# Altium PCB Board.PcbDoc
Units mil, origin at the board's own origin, x right, y up, seen from the top; angles counter-clockwise.
Board outline 1037 x 1968 mil, 4 copper layers (Top Layer, GND, PWR, Bottom Layer), stack 23.756 mil thick; 82 components, 64 nets, 343 pads, 191 vias.
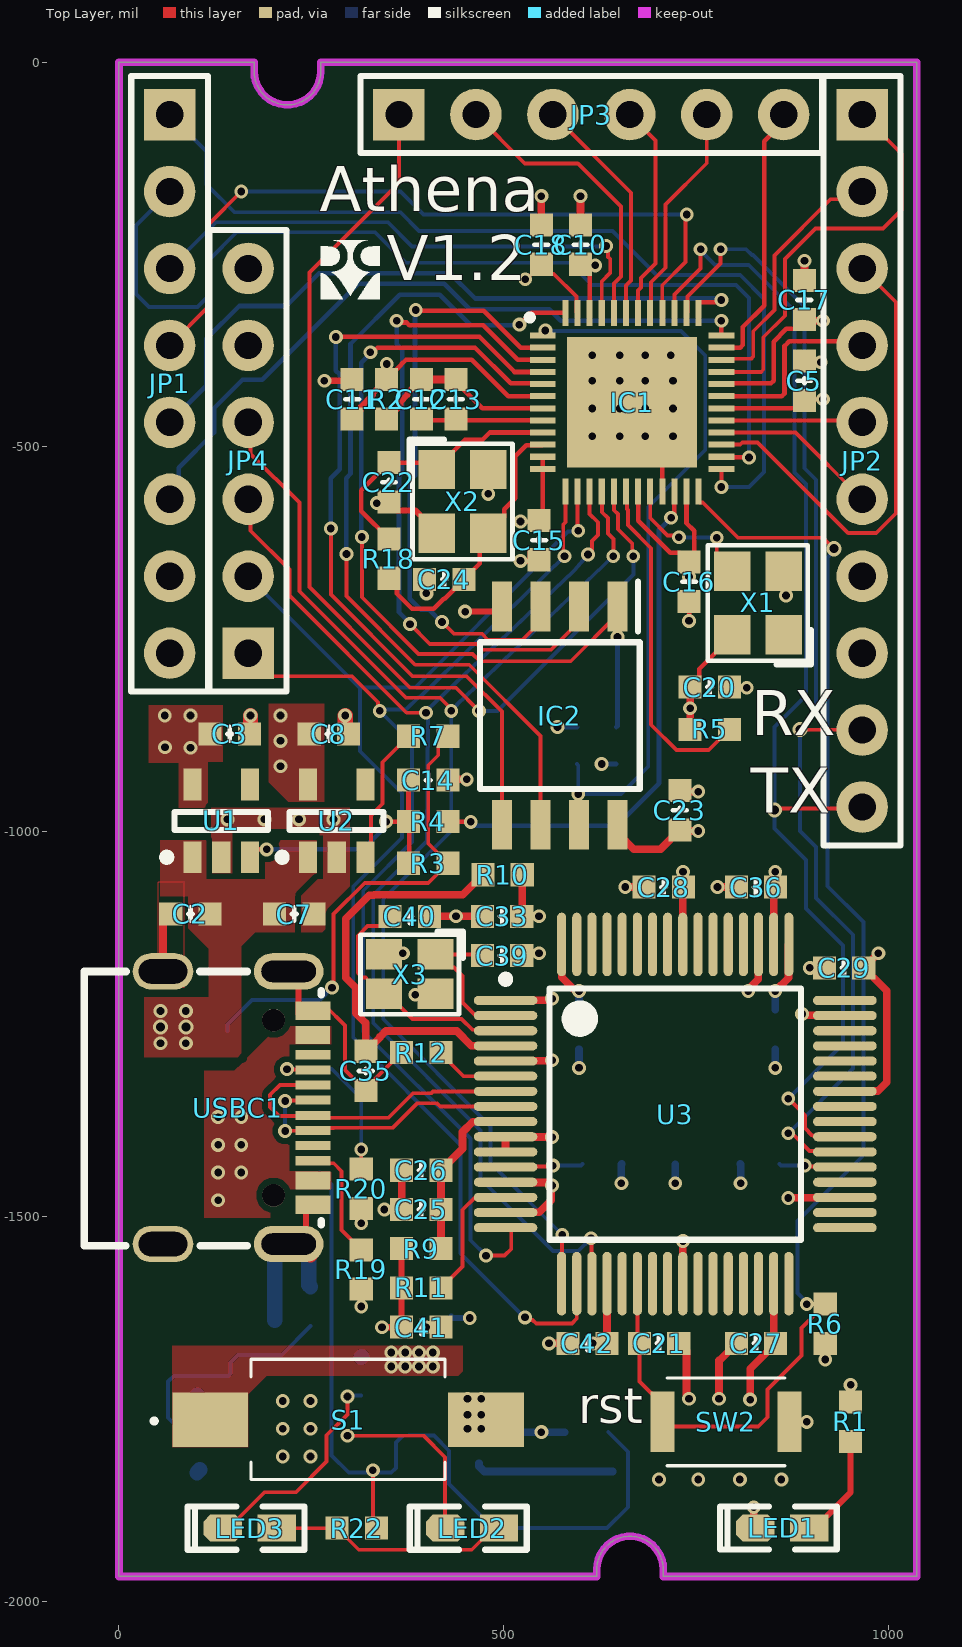
[diagram p0: Top Layer view]
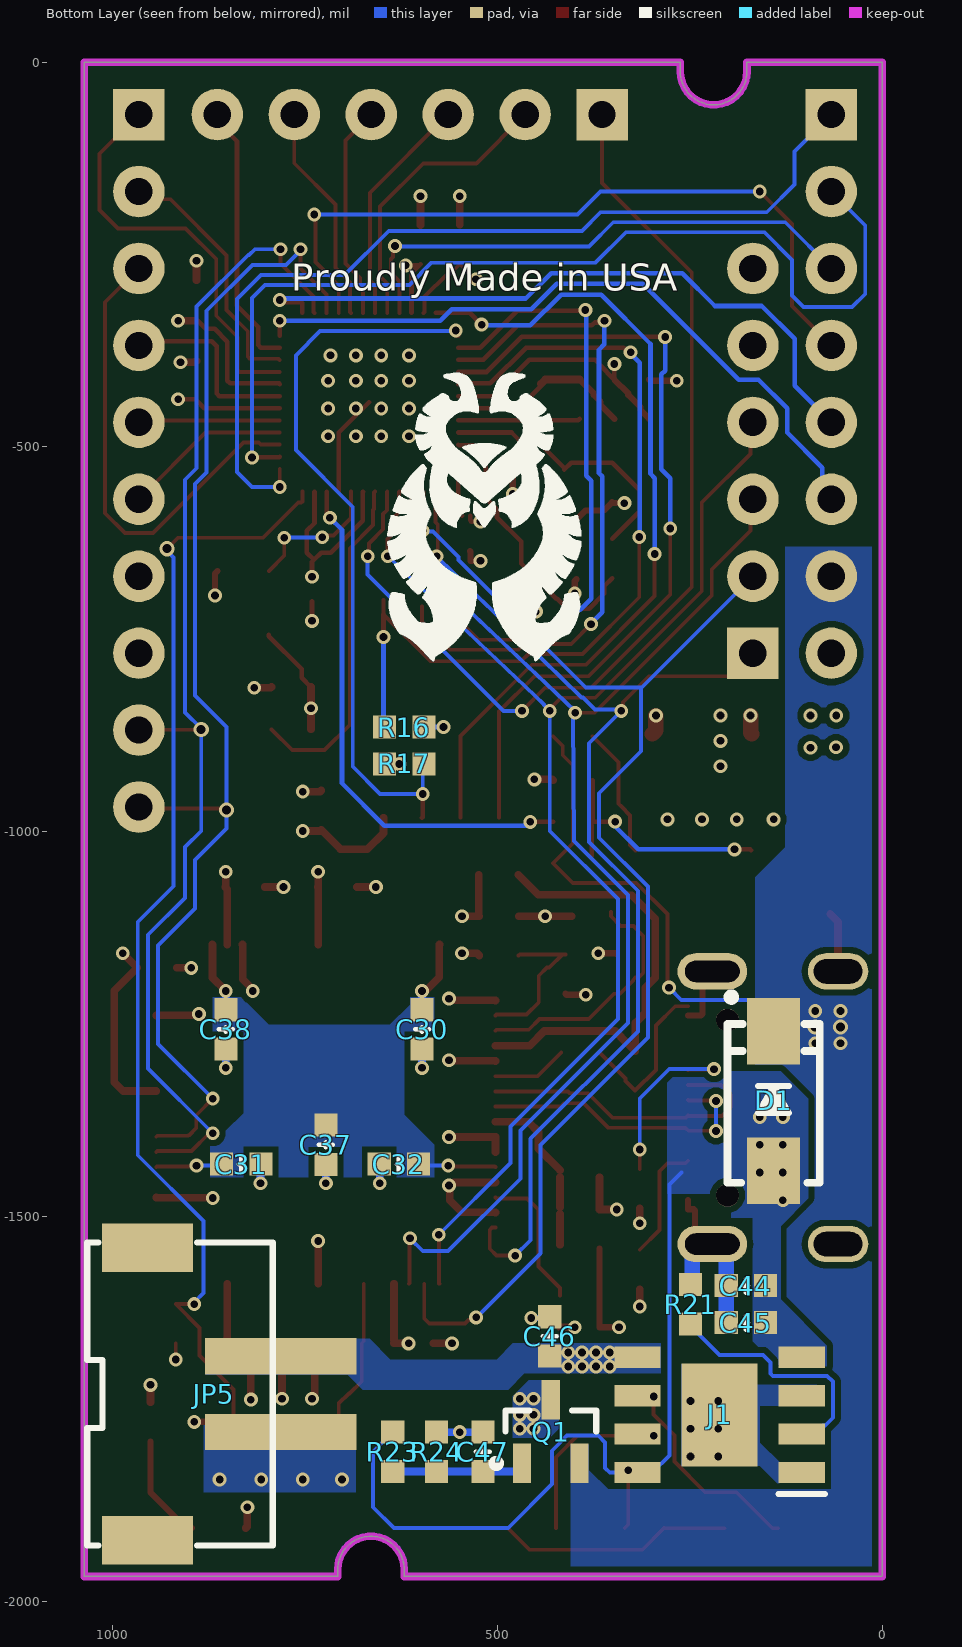
[diagram p1: Bottom Layer view, seen from below]
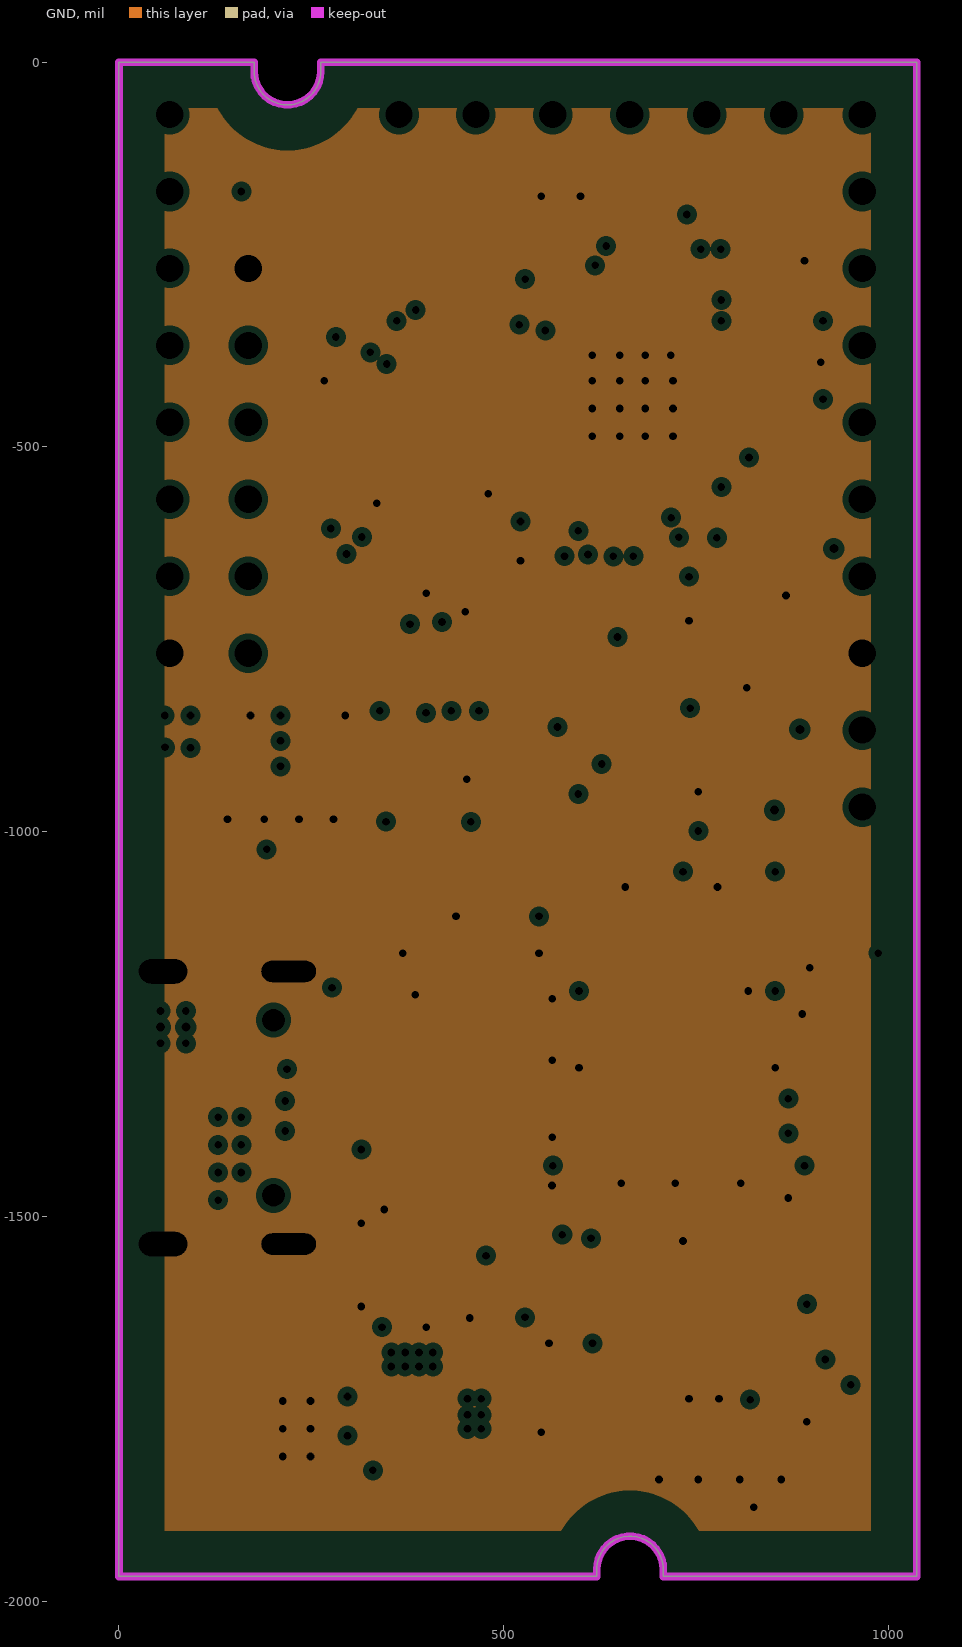
[diagram p2: GND, clearances drawn from the general rule]
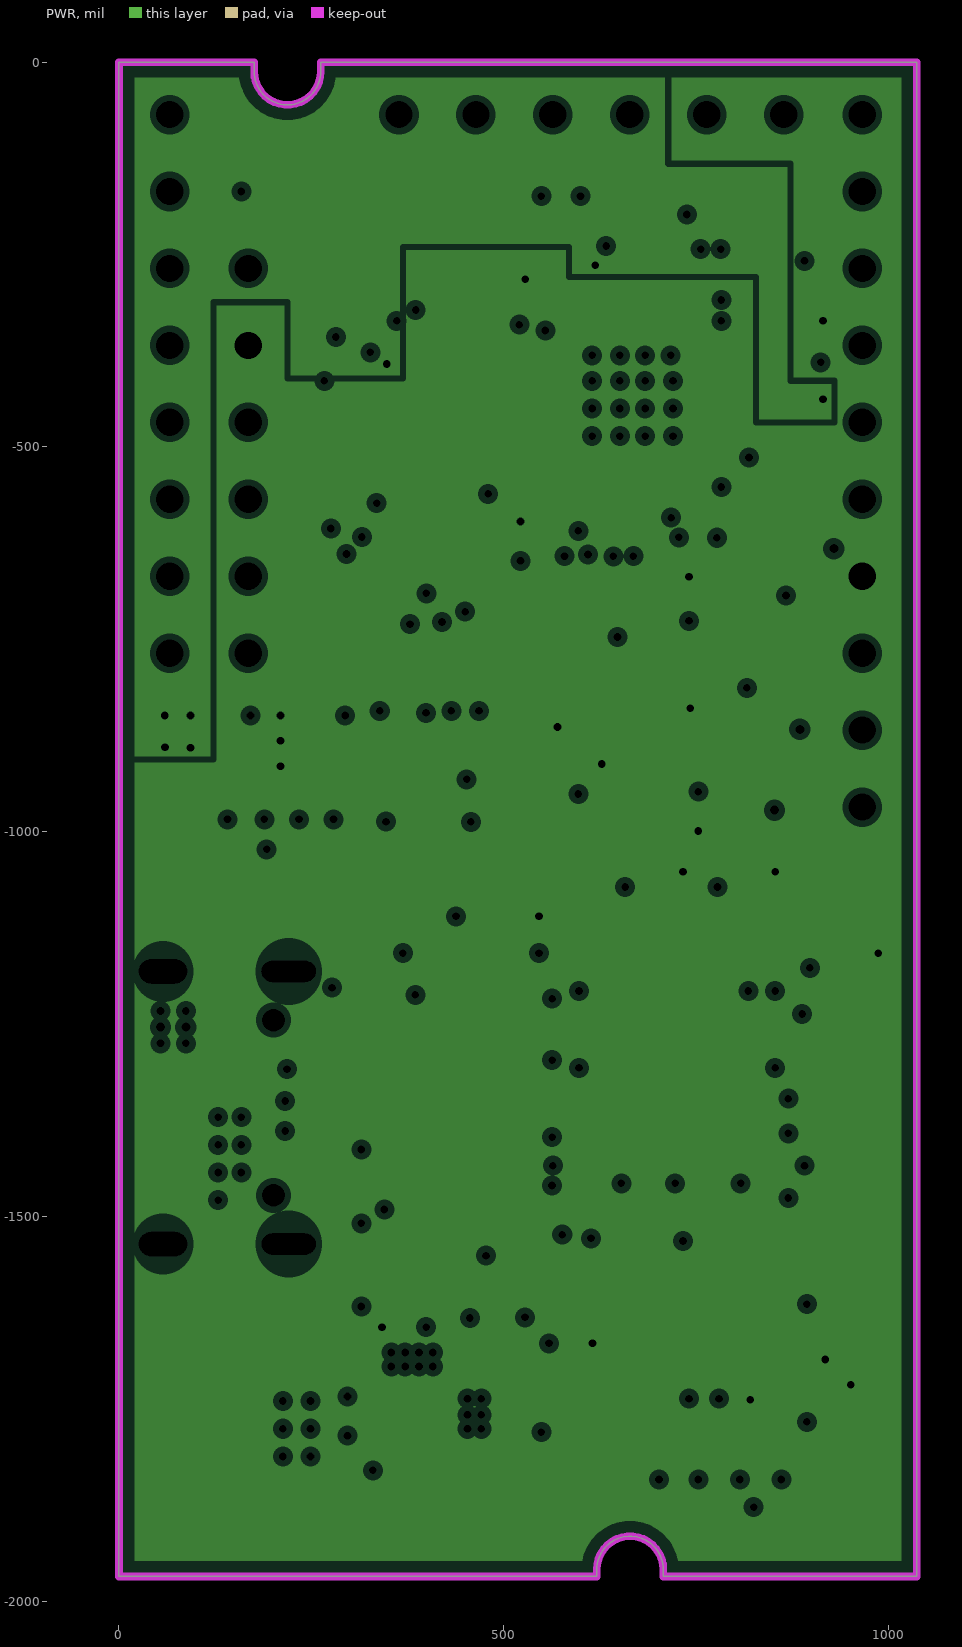
[diagram p3: PWR, clearances drawn from the general rule]

## Layer stack, top to bottom
Top Solder: solder mask 0.4, Solder Resist, Dk 3.5
Top Layer: signal copper 1.4
Dielectric 2: prepreg 2.8, PP-006, Dk 4.1
GND: plane copper 1.378, net GND
Dielectric 1: dielectric 12.6, FR-4, Dk 4.8
PWR: plane copper 1.378, net (Multiple Nets)
Dielectric 3: prepreg 2.8, PP-006, Dk 4.1
Bottom Layer: signal copper 1.4
Bottom Solder: solder mask 0.4, Solder Resist, Dk 3.5

## Board outline
175.69,-12 ccw(c219,-12) 262.31,-12 262.31,0 294,0 1037,0 1037,-1968 707.61,-1968 707.61,-1959 ccw(c664.31,-1959) 621,-1959 621,-1968 579,-1968 0,-1968 0,0 175.69,0

## Design rules (kind name [scope] priority, off if disabled: settings)
Clearance [All] p1: gap=8 ignorepadtopadclearanceinfootprint=TRUE
DiffPairsRouting [All] p1: maxlimit=10 minlimit=8 mostfreqgap=8 toplayer_minwidth=5 toplayer_maxwidth=15 toplayer_prefwidth=5 bottomlayer_minwidth=5 bottomlayer_maxwidth=15 bottomlayer_prefwidth=5 maxuncoupledlength=500
PlaneClearance [All] p1: clearance=8
PlaneConnect [All] p1: planeconnectstyle=Direct reliefexpansion=20 reliefentries=4 reliefconductorwidth=10 reliefairgap=10
PolygonConnect [All] p1: connectstyle=Direct reliefconductorwidth=10 reliefentries=4 polygonreliefangle="90 Angle" airgapwidth=10
RoomDefinition Main [InComponentClass('Main')] p1: confinementstyle=ConfineIn formatcopy=TRUE lockcomponents=FALSE outline 2338,-2362 8303,-2362 8303,-1847 2338,-1847
RoomDefinition Power [InComponentClass('Power')] p2: confinementstyle=ConfineIn formatcopy=TRUE lockcomponents=FALSE outline 2338,-1802 5198,-1802 5198,-1532 2338,-1532
RoomDefinition Debugger [InComponentClass('Debugger')] p3: confinementstyle=ConfineIn formatcopy=TRUE lockcomponents=FALSE outline 2338,-3092 6928,-3092 6928,-2412 2338,-2412
RoutingVias [All] p1: holewidth=10 width=18 viastyle="Through Hole" minholewidth=10 minwidth=18 maxholewidth=10 maxwidth=18
SolderMaskExpansion [IsVia] p1: expansion=4 istentingtop=TRUE
Width [All] p1: maxlimit=20 minlimit=5 preferedwidth=5
27 further rules are at their usual default settings.

## Classes and differential pairs
component class Power: C2 C3 C5 C7 C8 C10 C11 C12 C13 C14 C15 C16 C17 C18 C44 C45 C46 C47 D1 J1 JP5 LED1 LED2 LED3 Q1 R1 R2 R3 R4 R7 R21 R22 R23 R24 S1 U1 U2
component class Main: C20 C21 C22 C23 C24 IC1 IC2 JP1 JP2 JP3 JP4 R5 R6 R16 R17 R18 SW2 X1 X2
component class Debugger: C25 C26 C27 C28 C29 C30 C31 C32 C33 C35 C36 C37 C38 C39 C40 C41 C42 R9 R10 R11 R12 R19 R20 U3 USBC1 X3
differential pair USB_D: +USB_D_P -USB_D_N

## Components (designator, comment, footprint, x,y, rotation, side; value= is the part's Value field where it differs from the comment)
C2 "100nF" C0603_NS 93,-1107 r180 top
C3 "100nF" C0603_NS 144,-873 r0 top
C5 "100nF" C0603_NS 891,-414 r270 top
C7 "100nF" C0603_NS 228,-1107 r0 top
C8 "100nF" C0603_NS 273,-873 r0 top
C10 "100nF" C0603_NS 600,-237 r90 top
C11 "100nF" C0603_NS 303,-438 r270 top
C12 "100nF" C0603_NS 393,-438 r90 top
C13 "10uF" C0603_NS 438,-438 r90 top
C14 "100nF" C0603_NS 402,-933 r180 top
C15 "100nF" C0603_NS 546,-621 r90 top
C16 "100nF" C0603_NS 741,-675 r90 top
C17 "100nF" C0603_NS 891,-309 r270 top
C18 "100nF" C0603_NS 549,-237 r270 top
C20 "100nF" C0603_NS 768,-812 r180 top
C21 "100nF" C0603_NS 702,-1665 r180 top
C22 "22pF" C0603_NS 351,-546 r90 top
C23 "100nF" C0603_NS 729,-972 r90 top
C24 "22pF" C0603_NS 423,-672 r180 top
C25 "10uF" C0603_NS 393,-1491 r0 top
C26 "100nF" C0603_NS 393,-1440 r0 top
C27 "100nF" C0603_NS 828,-1665 r0 top
C28 "100nF" C0603_NS 708,-1072 r0 top
C29 "100nF" C0603_NS 942.41,-1177 r0 top
C30 "100nF" C0603_NS 598,-1257 r90 bottom
C31 "100nF" C0603_NS 833,-1432 r0 bottom
C32 "100nF" C0603_NS 628,-1432 r180 bottom
C33 "100nF" C0603_NS 498,-1110 r0 top
C35 "100nF" C0603_NS 321,-1311 r90 top
C36 "100nF" C0603_NS 828,-1072 r0 top
C37 "10uF" C0603_NS 723,-1407 r90 bottom
C38 "100nF" C0603_NS 853,-1257 r90 bottom
C39 "22pF" C0603_NS 498,-1161 r180 top
C40 "22pF" C0603_NS 378,-1110 r180 top
C41 "100nF" C0603_NS 393,-1644 r180 top
C42 "100nF" C0603_NS 609,-1665 r0 top
C44 "10uF" C0603_NS 177,-1590 r180 bottom
C45 "100nF" C0603_NS 177,-1638 r180 bottom
C46 "10uF" C0603_NS 432,-1656 r270 bottom
C47 "100nF" C0603_NS 519,-1806 r270 bottom
D1 "SS14" SMA 141,-1350 r90 bottom
IC1 "FE310-G002" QFN40P600X600X93-49N 666.86,-441.88 r0 top
IC2 "W25Q32FWSSIG" SOIC127P790X216-8N 573,-849.27 r270 top
J1 "TP4056" SOIC127P600X175-9N 211.23,-1758 r0 bottom
JP1 "HDR-1X8" HDR2.54-M-LI-8P 66,-418 r270 top
JP2 "HDR-1X10" HDR2.54-LI-10P 966,-518 r270 top
JP3 "HDR-1X6" HDR2.54-M-LI-6P 614,-68 r0 top
JP4 "HDR-1X6" HDR2.54-M-LI-6P 168,-518 r90 top
JP5 "HDR-1X2" XH2.54-LS-2P 915,-1731 r90 bottom
LED1 "红色" LED0603_R 862,-1904.74 r180 top
LED2 "红色" LED0603_R 459,-1905 r180 top
LED3 "红色" LED0603_R 170,-1905 r180 top
Q1 "AO3401" SOT23-3N 430.6,-1779.66 r90 bottom
R1 "330R" R0603_NS 951,-1767 r270 top
R2 "100R" R0603_NS 348,-438 r270 top
R3 "NC/100K" R0603_NS 402,-1041 r180 top
R4 "100K" R0603_NS 402,-987 r180 top
R5 "100K" R0603_NS 768,-867 r180 top
R6 "100K" R0603_NS 918,-1639.59 r270 top
R7 "100K" R0603_NS 402,-876 r180 top
R9 "5R" R0603_NS 393,-1542 r180 top
R10 "5R" R0603_NS 498.59,-1056 r0 top
R11 "100K" R0603_NS 393,-1593 r180 top
R12 "12K" R0603_NS 393,-1287 r0 top
R16 "100K" R0603_NS 621,-864 r180 bottom
R17 "100K" R0603_NS 621,-912 r0 bottom
R18 "1M" R0603_NS 351,-645 r90 top
R19 "5.1K" R0603_NS 315,-1569 r90 top
R20 "5.1K" R0603_NS 315,-1464 r90 top
R21 "1.2K" R0603_NS 249,-1614 r270 bottom
R22 "1K" R0603_NS 309,-1905 r0 top
R23 "0" R0603_NS 636,-1806 r90 bottom
R24 "100K" R0603_NS 579,-1806 r270 bottom
S1 "CFS-0101TB" CFS0101TB 297.87,-1764 r90 top
SW2 "SKRKAEE020" SKRKAEE020 789,-1767 r0 top
U1 "RT9080-1.8" SOT-23-5 133,-986 r90 top
U2 "RT9080-3.3" SOT-23-5 283,-986 r90 top
U3 "FT2232HL-Reel" LQFP-64_M 723,-1367 r0 top locked
USBC1 "TYPE-C 2.0 -16P" USB-C-SMD_16P 154.75,-1358.78 r90 top
X1 "32.768K" OSC-3225-4P 830.54,-702.66 r90 top
X2 "16M" XTAL-3225-4P 446.54,-570.66 r270 top
X3 "12M" XTAL-2025-4P 378,-1185 r180 top

## Footprints (in the part's own frame and the unit in brackets; to place one, negate y for a bottom-side part, rotate by r counter-clockwise, add the part's x,y. Pads: shape width x height; smd on the part's side, far side on the other; paste and mask are expansions set on the pad)
C0603_NS [mil] "贴片MLCC电容-无丝印"
  rect 30x30 smd: 1(-25.59,0) 2(25.59,0)
  silkscreen extent -3,-9 3,9, body extent -31,-16 32,16, height 33
CFS0101TB [mm]
  rect 1.8x2.5 smd: 1(0,4.55) 2(0,-4.55)
  silkscreen extent -1.97,-3.2 2,6.45
HDR2.54-LI-10P [mm] "排针，10脚   淘宝ID:黄晶宝石   店铺网址:https://shop463601444.taobao.com"
  rect 1.7x1.7 hole 0.9: 1(-11.43,0)
  round 1.7 hole 0.9: 2(-8.89,0) 3(-6.35,0) 4(-3.81,0) 5(-1.27,0) 6(1.27,0) 7(3.81,0) 8(6.35,0) 9(8.89,0) 10(11.43,0)
  silkscreen extent -12.7,-1.27 12.7,1.27, body extent -12.7,-1.27 12.7,1.27, height 8.5
HDR2.54-M-LI-6P [mm] "排母，6脚"
  rect 1.7x1.7 hole 0.9: 1(-6.35,0)
  round 1.7 hole 0.9: 2(-3.81,0) 3(-1.27,0) 4(1.27,0) 5(3.81,0) 6(6.35,0)
  silkscreen extent -7.62,-1.27 7.62,1.27, body extent -7.62,-1.27 7.62,1.27, height 8.5
HDR2.54-M-LI-8P [mm] "排母，8脚"
  rect 1.7x1.7 hole 0.9: 1(-8.89,0)
  round 1.7 hole 0.9: 2(-6.35,0) 3(-3.81,0) 4(-1.27,0) 5(1.27,0) 6(3.81,0) 7(6.35,0) 8(8.89,0)
  silkscreen extent -10.16,-1.27 10.16,1.27, body extent -10.16,-1.27 10.16,1.27, height 8.5
LED0603_R [mil] "红色0603LED"
  rect 50x35 smd: 1(-35,0.26)
  oct 50x35 smd: 2(35,0.26)
  silkscreen extent -71,-28 81,28, body extent -32,-16 31,16, height 18
LQFP-64_M [mm] "Thin QFP, 64-Leads, Body 10x10mm, Pitch 0.5mm, IPC Low Density"
  oval 2.1x0.3 smd: 1(-5.6,3.75) 2(-5.6,3.25) 3(-5.6,2.75) 4(-5.6,2.25) 5(-5.6,1.75) 6(-5.6,1.25) 7(-5.6,0.75) 8(-5.6,0.25) 9(-5.6,-0.25) 10(-5.6,-0.75) 11(-5.6,-1.25) 12(-5.6,-1.75) 13(-5.6,-2.25) 14(-5.6,-2.75) 15(-5.6,-3.25) 16(-5.6,-3.75) 33(5.6,-3.75) 34(5.6,-3.25) 35(5.6,-2.75) 36(5.6,-2.25) 37(5.6,-1.75) 38(5.6,-1.25) 39(5.6,-0.75) 40(5.6,-0.25) 41(5.6,0.25) 42(5.6,0.75) 43(5.6,1.25) 44(5.6,1.75) 45(5.6,2.25) 46(5.6,2.75) 47(5.6,3.25) 48(5.6,3.75)
  oval 0.3x2.1 smd: 17(-3.75,-5.6) 18(-3.25,-5.6) 19(-2.75,-5.6) 20(-2.25,-5.6) 21(-1.75,-5.6) 22(-1.25,-5.6) 23(-0.75,-5.6) 24(-0.25,-5.6) 25(0.25,-5.6) 26(0.75,-5.6) 27(1.25,-5.6) 28(1.75,-5.6) 29(2.25,-5.6) 30(2.75,-5.6) 31(3.25,-5.6) 32(3.75,-5.6) 49(3.75,5.6) 50(3.25,5.6) 51(2.75,5.6) 52(2.25,5.6) 53(1.75,5.6) 54(1.25,5.6) 55(0.75,5.6) 56(0.25,5.6) 57(-0.25,5.6) 58(-0.75,5.6) 59(-1.25,5.6) 60(-1.75,5.6) 61(-2.25,5.6) 62(-2.75,5.6) 63(-3.25,5.6) 64(-3.75,5.6)
  silkscreen extent -5.72,-4.15 4.15,4.57, body extent -5,-5 5,5, height 1.6
OSC-3225-4P [mm] "3.2*2.5*0.7mm(长宽高)                             淘宝ID:黄晶宝石"
  rect 1.3x1.2 smd: 1(-1.05,-0.85) 2(1.05,-0.85) 3(1.05,0.85) 4(-1.05,0.85)
  silkscreen extent -2.03,-1.75 1.91,1.65, body extent -1.6,-1.25 1.6,1.25, height 0.7
QFN40P600X600X93-49N [mm] "48脚，长x宽x高：7x7x1mm，脚距：0.5mm"
  rect 0.85x0.2 smd: 1(-2.95,2.2) 2(-2.95,1.8) 3(-2.95,1.4) 4(-2.95,1) 5(-2.95,0.6) 6(-2.95,0.2) 7(-2.95,-0.2) 8(-2.95,-0.6) 9(-2.95,-1) 10(-2.95,-1.4) 11(-2.95,-1.8) 12(-2.95,-2.2) 25(2.95,-2.2) 26(2.95,-1.8) 27(2.95,-1.4) 28(2.95,-1) 29(2.95,-0.6) 30(2.95,-0.2) 31(2.95,0.2) 32(2.95,0.6) 33(2.95,1) 34(2.95,1.4) 35(2.95,1.8) 36(2.95,2.2)
  rect 0.2x0.85 smd: 13(-2.2,-2.95) 14(-1.8,-2.95) 15(-1.4,-2.95) 16(-1,-2.95) 17(-0.6,-2.95) 18(-0.2,-2.95) 19(0.2,-2.95) 20(0.6,-2.95) 21(1,-2.95) 22(1.4,-2.95) 23(1.8,-2.95) 24(2.2,-2.95) 37(2.2,2.95) 38(1.8,2.95) 39(1.4,2.95) 40(1,2.95) 41(0.6,2.95) 42(0.2,2.95) 43(-0.2,2.95) 44(-0.6,2.95) 45(-1,2.95) 46(-1.4,2.95) 47(-1.8,2.95) 48(-2.2,2.95)
  rect 4.3x4.3 smd: 49(0,0)
  silkscreen extent -3.47,2.7 -3.27,2.9, body extent -3.05,-3.05 3.05,3.05, height 0.93
R0603_NS [mil] "1/10W贴片电阻-无丝印"
  rect 30x30 smd: 1(-25.59,0) 2(25.59,0)
  body extent -31,-16 32,16, height 16
SKRKAEE020 [mm] "3*6*2.5mm"
  rect 0.8x2 smd: 1(-2.1,0) 2(2.1,0)
  silkscreen extent -1.95,-1.45 1.95,1.45, body extent -2.4,-1.45 2.4,1.45, height 2
SMA [mm] "4.5x2.6*2.2mm（长宽高，不包括引脚）联系卖家 免费查找封装"
  rect 2.2x1.75 smd: 1(-2.3,0) 2(2.3,0)
  silkscreen extent -2.7,-1.52 3.56,1.52, body extent -2.55,-1.3 2.55,1.3, height 2.15
SOIC127P600X175-9N [mm]
  rect 1.525x0.7 smd: 1(-2.712,1.905) 2(-2.712,0.635) 3(-2.712,-0.635) 4(-2.712,-1.905) 5(2.712,-1.905) 6(2.712,-0.635) 7(2.712,0.635) 8(2.712,1.905)
  rect 2.513x3.402 smd: 9(0,0)
  silkscreen extent -3.47,2.61 -1.95,2.61, body extent -3,-2.45 3,2.45, height 1.75
SOIC127P790X216-8N [mm]
  rect 1.65x0.65 smd: 1(-3.6,1.905) 2(-3.6,0.635) 3(-3.6,-0.635) 4(-3.6,-1.905) 5(3.6,-1.905) 6(3.6,-0.635) 7(3.6,0.635) 8(3.6,1.905)
  silkscreen extent -4.43,-2.64 2.42,2.64, body extent -3.95,-2.64 3.95,2.64, height 2.16
SOT23-3N [mm] "SOT23, 3-Leads, Body 2.9x1.3mm, Pitch 0.95mm, Lead Span 2.4mm, IPC Medium Density"
  rect 1.3x0.6 smd: 1(-1.05,0.95) 2(-1.05,-0.95) 3(1.05,0)
  silkscreen extent -1.17,-1.5 0.7,1.93, body extent -1.2,-1.5 1.2,1.5, height 1.05
SOT-23-5 [mm] "SOT23, 5-Leads, Body 2.9x1.6mm, Pitch 0.95mm, IPC Medium Density"
  rect 1.05x0.6 smd: 1(-1.2,0.95) 2(-1.2,0) 3(-1.2,-0.95) 4(1.2,-0.95) 5(1.2,0.95)
  silkscreen extent -1.32,-1.55 0.3,1.92, body extent -1.4,-1.5 1.4,1.5, height 1.15
USB-C-SMD_16P [mm] "封装库来自淘宝ID:黄晶宝石"
  oval 1.2x2.3 hole 0.7 slot 1.8 at 90 deg: 0(-4.5,-1.675) 0(4.5,-1.675)
  oval 1.2x2 hole 0.8 slot 1.6 at 90 deg: 0(-4.5,2.475) 0(4.5,2.475)
  rect 0.3x1.15 smd: A1(3.35,-2.473) A4(2.55,-2.471) A5(1.25,-2.475) A6(0.25,-2.475) A7(-0.25,-2.473) A9(-2.55,-2.475) A12(-3.35,-2.475) B1(-3.05,-2.475) B4(-2.25,-2.475) B5(-1.75,-2.475) B6(-0.75,-2.475) B7(0.75,-2.473) B9(2.25,-2.471) B12(3.05,-2.473)
  rect 0.3x1.148 smd: A8(1.75,-2.475) B8(-1.25,-2.475)
  round 0.75 hole 0.75 unplated: ""(-2.89,-1.175) ""(2.89,-1.175)
  silkscreen extent -4.56,-2.75 4.5,5.08, body extent -4.45,-2.87 4.49,5.03, height 3.25
XH2.54-LS-2P [mm] "长：10mm，宽：6mm，高：8.3mm    淘宝ID:黄晶宝石   店铺网址:https://shop463601444.taobao.com"
  rect 1.6x3 smd: 0(-4.826,1.016) 0(4.826,1.016)
  rect 1.2x5 smd: 1(-1.25,-3.383) 2(1.25,-3.383)
  silkscreen extent -5,-3.13 5,3, body extent -5,-6 5,3
XTAL-2025-4P [mm] "2*2.5*0.55mm(长宽高)"
  rect 1.2x1 smd: 1(-0.85,-0.65) 2(0.85,-0.65) 3(0.85,0.65) 4(-0.85,0.65)
  silkscreen extent -1.75,-1.4 1.63,1.32, body extent -1.25,-1 1.25,1, height 0.55
XTAL-3225-4P [mm] "3.2*2.5*0.7mm(长宽高)                             淘宝ID:黄晶宝石"
  rect 1.3x1.2 smd: 1(-1.05,-0.85) 2(1.05,-0.85) 3(1.05,0.85) 4(-1.05,0.85)
  silkscreen extent -2.03,-1.75 1.91,1.65, body extent -1.6,-1.25 1.6,1.25, height 0.7

## Part data
C2 C3 C5 C7 C8 C10 C11 C12 C13 C14 C15 C16 C17 C18 C20 C21 C22 C23 C24 C25 C26 C27 C28 C29 C30 C31 C32 C33 C35 C36 C37 C38 C39 C40 C41 C42 C44 C45 C46 C47: library part C, "贴片电容/MLCC电容", BOM名称=无极性贴片电容, 联系卖家，免费查找封装=唯一出售店铺网址https://shop463601444.taobao.com
D1: "肖特基二极管", BOM名称=肖特基二极管, 以赠品形式获赠本封装库的买家，还可联系卖家免费指导AD软件使用=封装库来自淘宝卖家ID：黄晶宝石, 属性=40V/1A
IC1: "Integrated Circuit", Manufacturer_Name=SiFive, Datasheet Link=https://sifive.cdn.prismic.io/sifive%2F3d777659-a0dd-49ed-a011-5bebba17aecf_fe310-g002-ds.pdf, Height=0.93mm, Manufacturer_Part_Number=FE310-G002
IC2: "Integrated Circuit", Manufacturer_Name=Winbond, Mouser Part Number=454-W25Q32FWSSIG, Arrow Part Number=W25Q32FWSSIG, Arrow Price/Stock=https://www.arrow.com/en/products/w25q32fwssig/winbond-electronics, Datasheet Link=http://www.winbond.com/resource-files/w25q32fw%20revj%2004242018%20sfdp.pdf, Height=2.16mm, Manufacturer_Part_Number=W25Q32FWSSIG, Mouser Price/Stock=https://www.mouser.com/Search/Refine.aspx?Keyword=454-W25Q32FWSSIG
J1: "Connector", Manufacturer_Name="NanJing Top Power", Datasheet Link=https://dlnmh9ip6v2uc.cloudfront.net/datasheets/Prototyping/TP4056.pdf, Height=1.75mm, Manufacturer_Part_Number=TP4056
JP1: library part "Header 8", "8P接插件", BOM名称=8P接插件, 封装库来自淘宝卖家ID:黄晶宝石=其他店铺购入均为盗版假冒封装库，请立即申请退款，本店现金奖励20~200元, 联系卖家，免费查找封装=唯一出售店铺网址https://shop463601444.taobao.com
JP2: library part "Header 10", "10P接插件", BOM名称=10P接插件, 学习资源=https://shop463601444.taobao.com, 版权归属=淘宝ID:黄晶宝石
JP3 JP4: library part "Header 6", "6P接插件", BOM名称=6P接插件, 封装库来自淘宝卖家ID:黄晶宝石=其他店铺购入均为盗版假冒封装库，请立即申请退款，本店现金奖励20~200元, 联系卖家，免费查找封装=唯一出售店铺网址https://shop463601444.taobao.com
JP5: library part "Header 2", "2P接插件", BOM名称=2P接插件, 封装库来自淘宝卖家ID:黄晶宝石=其他店铺购入均为盗版假冒封装库，请立即申请退款，本店现金奖励20~200元, 联系卖家，免费查找封装=唯一出售店铺网址https://shop463601444.taobao.com
LED1 LED2 LED3: library part LED-SMD, "贴片LED", BOM名称=贴片LED, 封装库来自淘宝卖家ID：黄晶宝石=其他店铺购入均为盗版封装库，请立即申请退款，本店现金奖励20~200元
Q1: "P沟道 30V/4.2A", 8元以下特价购入的买家=还可以联系卖家远程指导AD软件使用, BOM名称=场效应管, 参数="P沟道 30V/4.2A"
R1 R2 R3 R4 R5 R6 R7 R9 R10 R11 R12 R16 R17 R18 R19 R20 R21 R22 R23 R24: library part R, "贴片电阻", BOM名称=贴片电阻, 联系卖家，免费查找封装=唯一出售店铺网址https://shop463601444.taobao.com
S1: "Switch", Manufacturer_Name="NIDEC COPAL", Mouser Part Number=229-CFS-0101TB, Datasheet Link=https://au.mouser.com/datasheet/2/972/cfs-1628139.pdf, Height=4mm, Manufacturer_Part_Number=CFS-0101TB, Mouser Price/Stock=https://www.mouser.co.uk/ProductDetail/Nidec-Copal/CFS-0101TB?qs=XeJtXLiO41RUoaDpyshzOQ%3D%3D
SW2: "2.9x3.9轻触开关", BOM名称=3x6轻触开关, 封装库来自淘宝卖家ID：黄晶宝石=其他店铺购入的，请立即申请退款，本店现金奖励20~500元, 联系卖家，免费查找封装=唯一出售店铺网址https://shop463601444.taobao.com
U1 U2: library part RT9193-18GB, "LDO 1.8V/0.3A", BOM名称=RT9193-18GB, 封装库来自淘宝卖家ID：黄晶宝石=其他店铺购入的买家，请立即申请退款，本店现金奖励20~1000元, 芯片厂商=RICHTEK
U3: library part CMP-0078-00023-3, "Dual High Speed USB To Multipurpose UART/FIFO IC, 64-pin LQFP, Tape and Reel", Manufacturer=FTDI, ComponentLink1Description="Manufacturer URL", ComponentLink1URL=http://www.ftdichip.com/, ComponentLink2Description=Datasheet, ComponentLink2URL=http://www.ftdichip.com/Support/Documents/DataSheets/ICs/DS_FT2232H.pdf, DatasheetVersion="ver 2.21, Jun-2012", PackageDescription="64-Pin Thin Quad Flat Pack, 10 x 10 x 1.4 mm Body, 0.5 mm Pitch", PackageReference=LQFP-64, PackageVersion=Jun-12, PartNumber=FT2232HL-Reel, RevisionNote="DatasheetVersion updated to 2.21 Jun-2012"
USBC1: library part USB2.0_Type-C_16Pin, "USB2.0_Type-C_16Pin母座", 联系卖家 免费技术支持=封装库来自淘宝卖家ID：黄晶宝石
X1: library part XTAL-ACT-4P, "4脚有源晶振(振荡器)", BOM名称=有源晶振(振荡器), 联系卖家，免费查找封装=唯一出售店铺网址https://shop463601444.taobao.com
X2 X3: library part XTAL-4P, "4脚无源晶振(谐振器）", BOM名称=4脚无源晶振(谐振器）, 联系卖家，免费查找封装=唯一出售店铺网址https://shop463601444.taobao.com

## Via types
v1: diameter 17.99, hole 10, Top Layer to Bottom Layer, tented both sides, 168 vias
v2: diameter 18, hole 10, Top Layer to Bottom Layer, tented both sides, 18 vias
v3: diameter 19.68, hole 11.81, Top Layer to Bottom Layer, tented both sides, 5 vias
